# Altium PCB FES_V2.5.PcbDoc (part 1 of 2)
Units mm, origin at the board's own origin, x right, y up, seen from the top; angles counter-clockwise.
Board outline 60.4 x 104.94 mm, 2 copper layers (Top Layer, Bottom Layer); 191 components, 152 nets, 619 pads, 313 vias.
Unrouted connection lines stored in the file: 106.
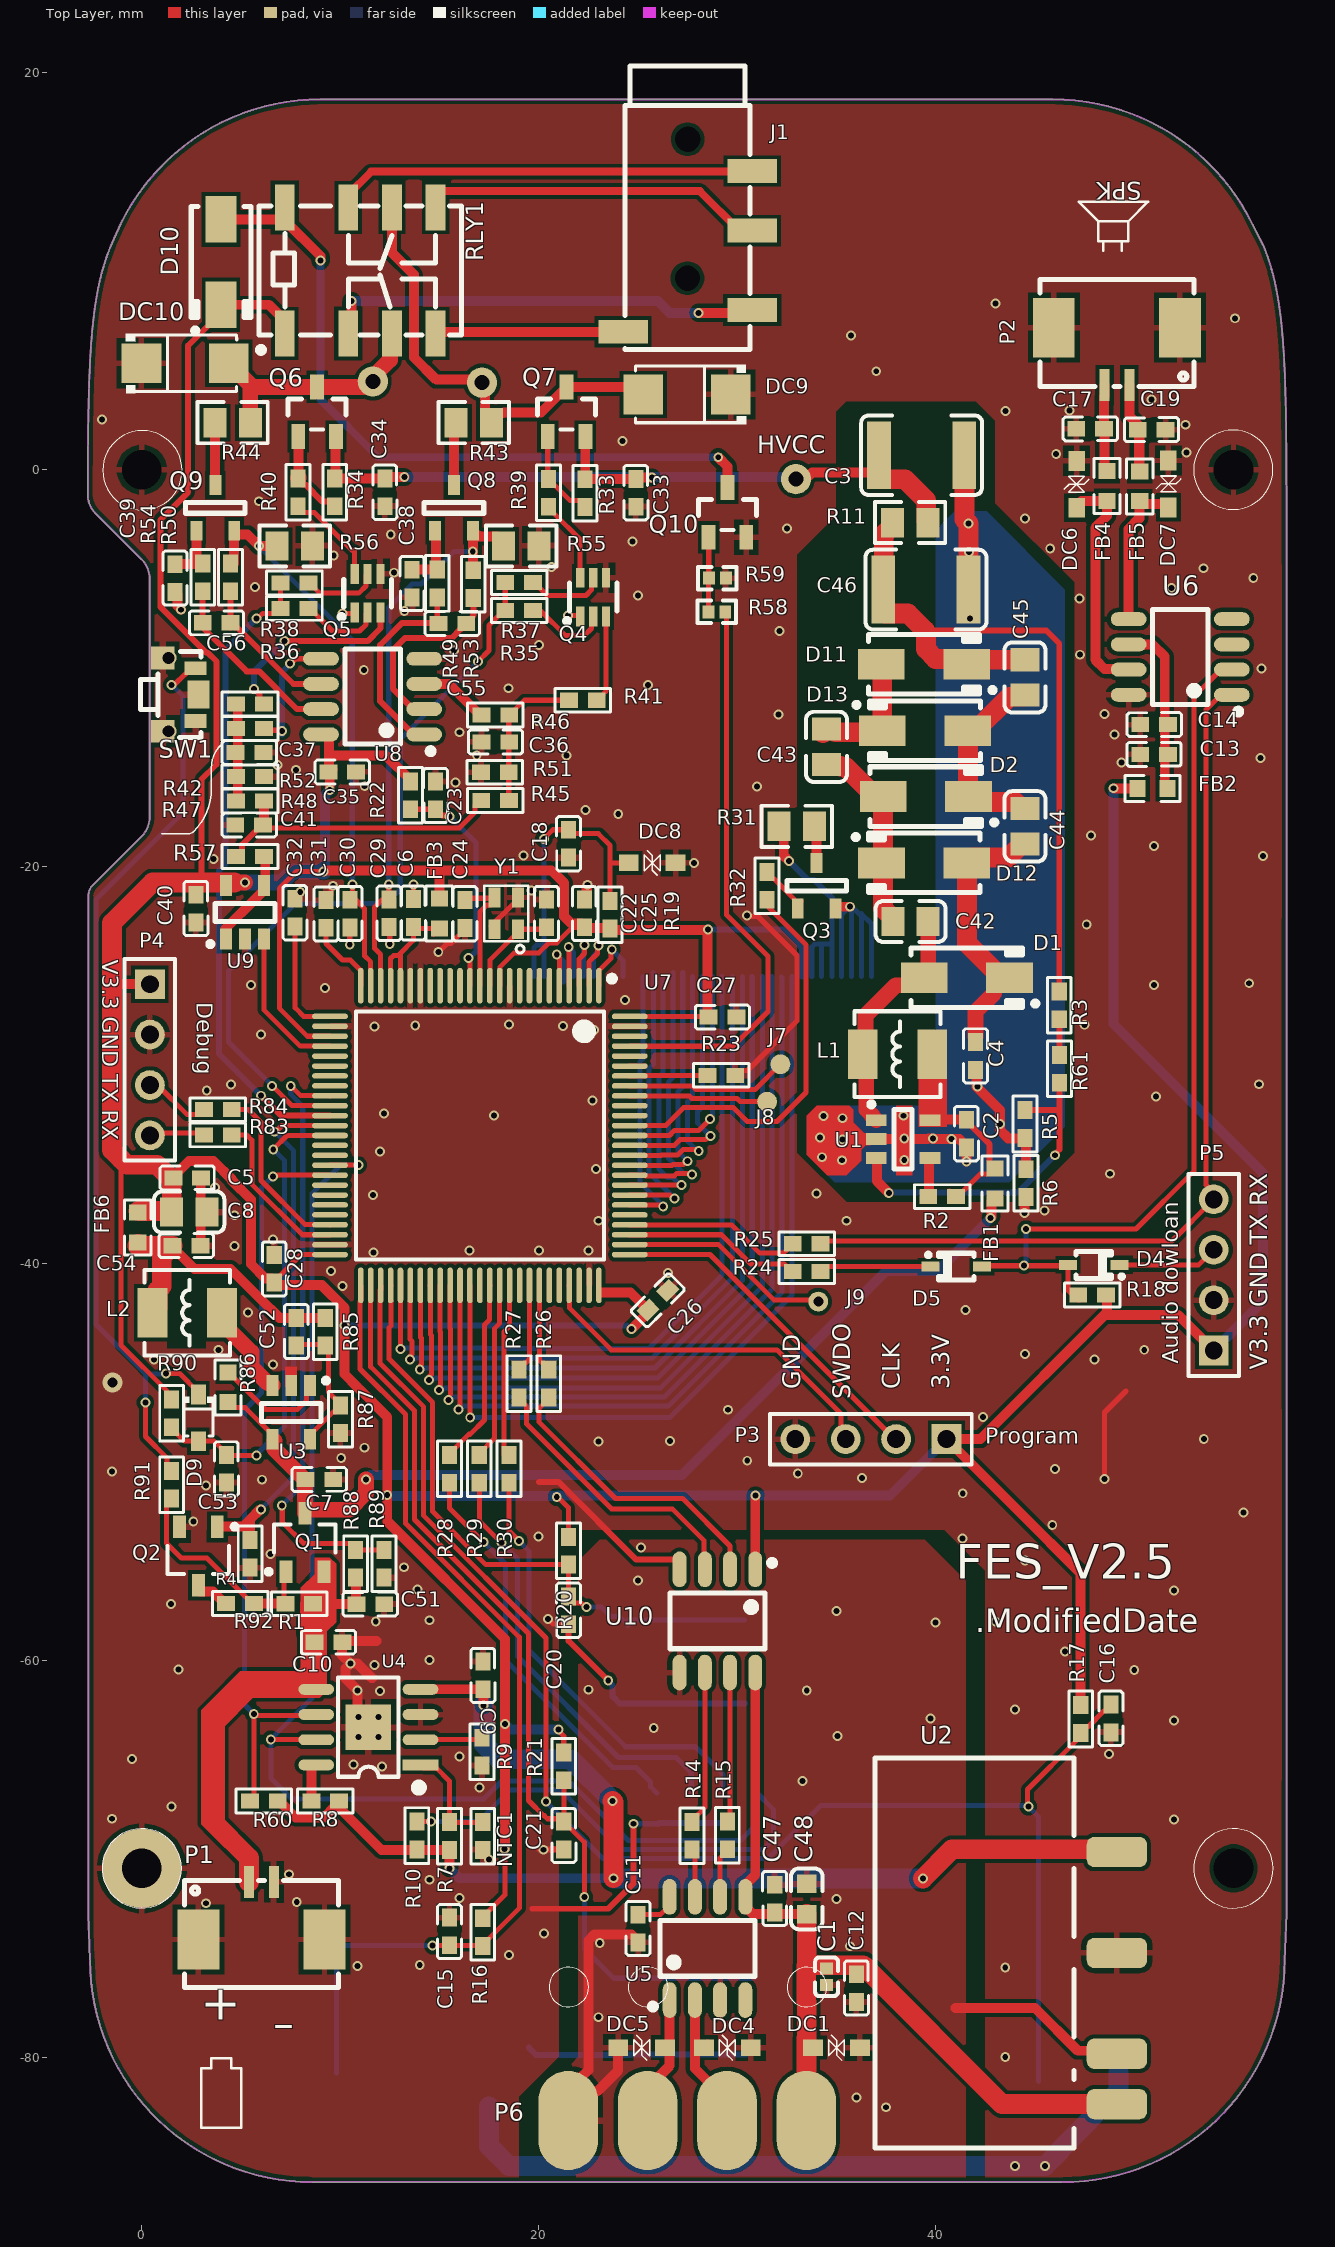
[diagram p0: Top Layer view]
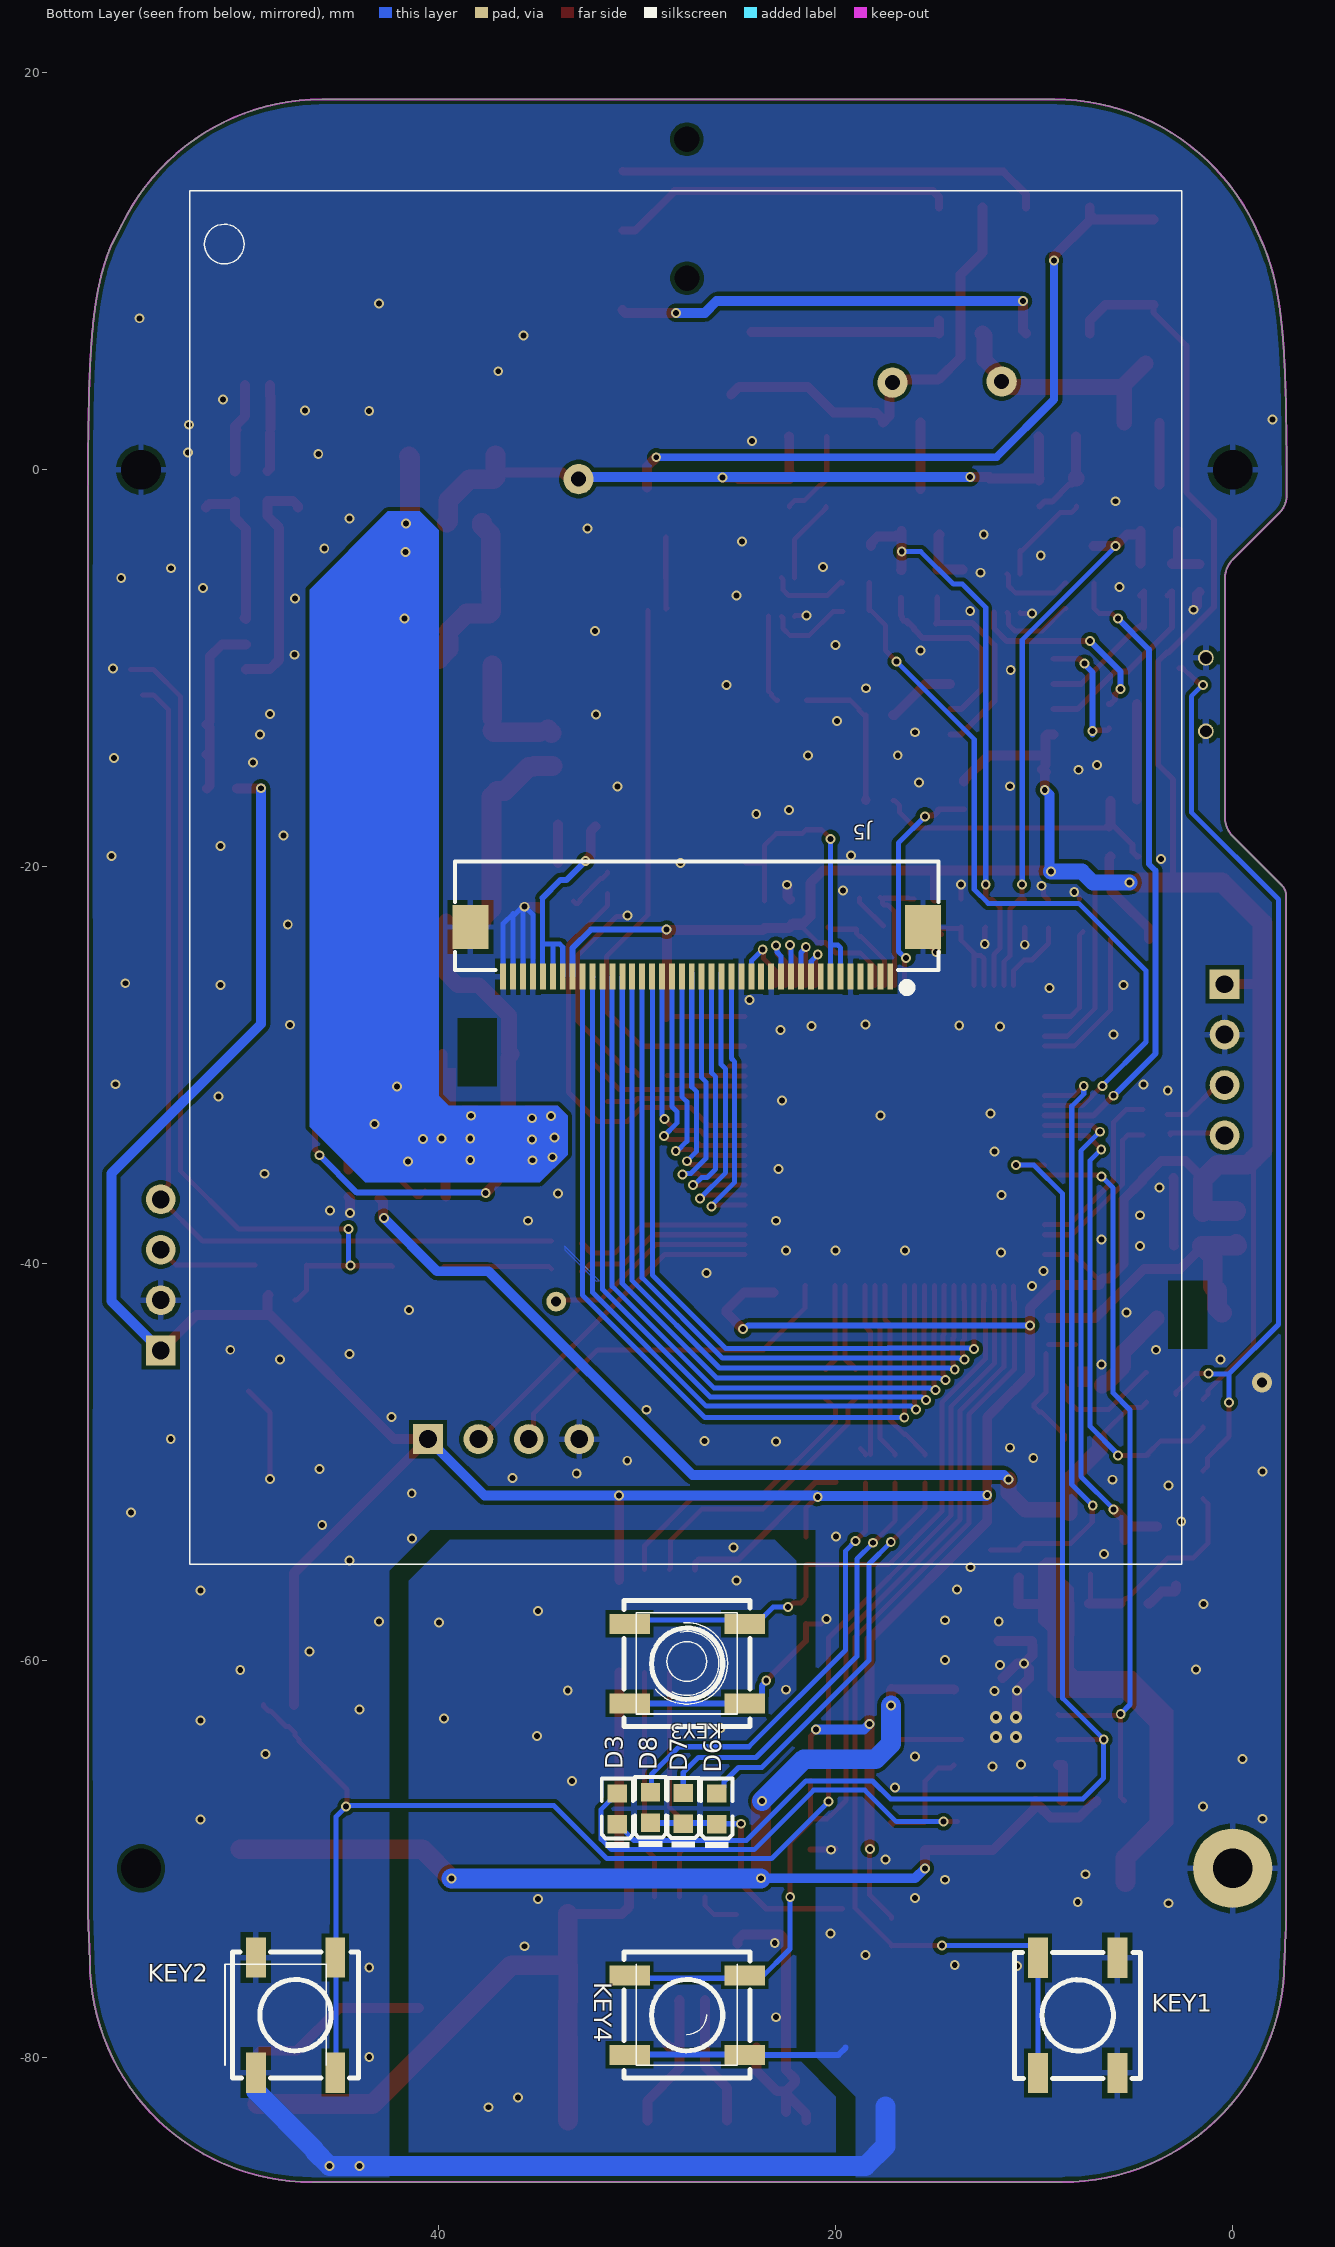
[diagram p1: Bottom Layer view, seen from below]
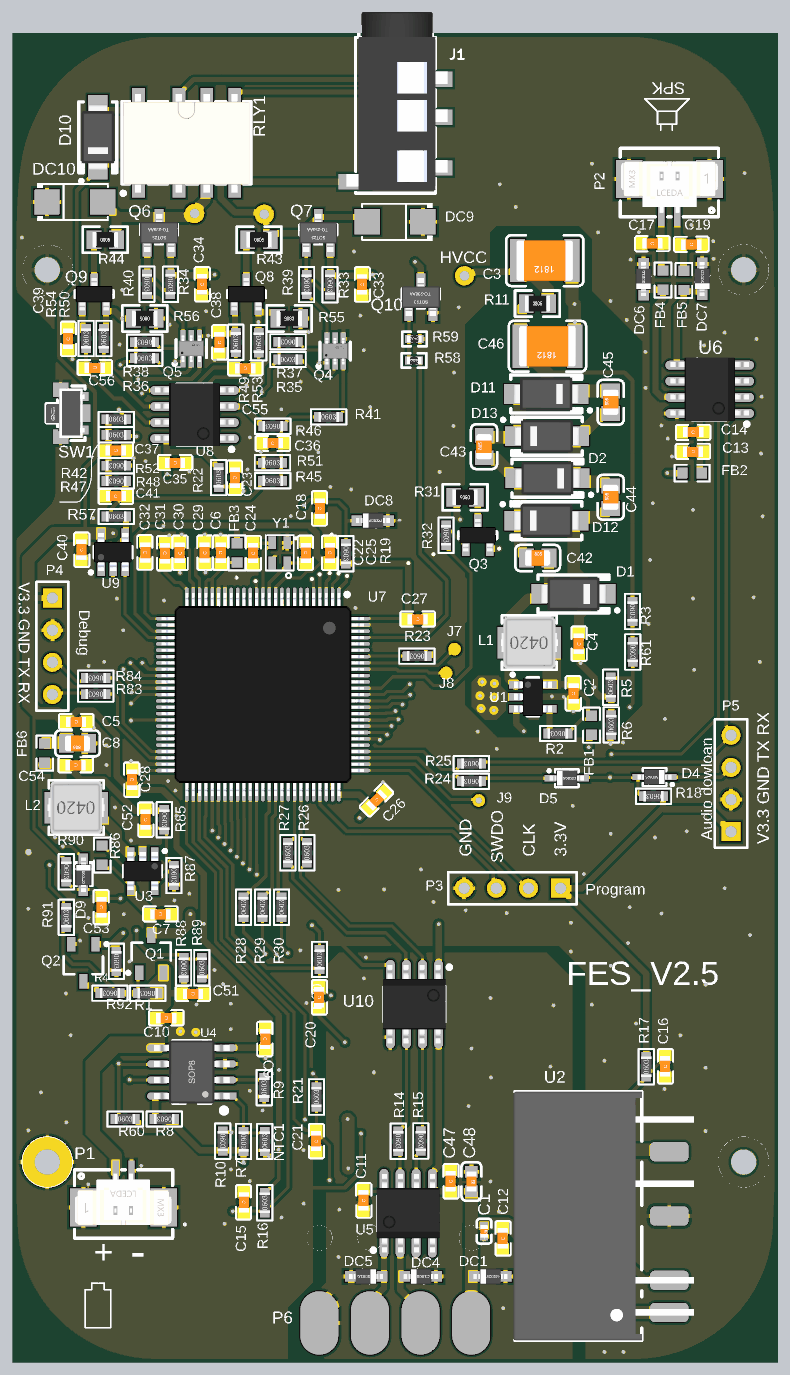
[diagram p3: 3D render of the assembled board from above, using the file's embedded part models]
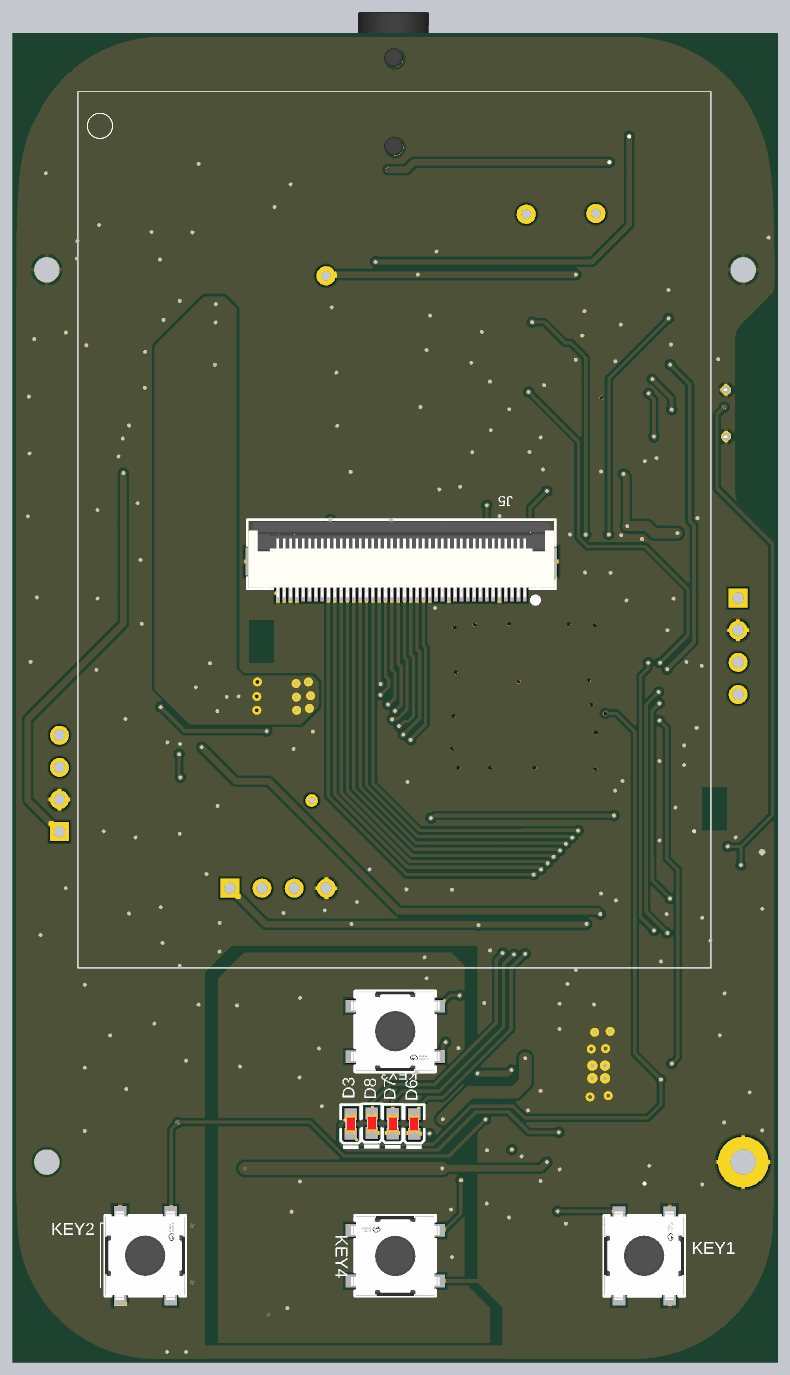
[diagram p4: 3D render of the assembled board from below, using the file's embedded part models]

## Layer stack, top to bottom
Top Solder: solder mask 0.0102, Solder Resist, Dk 3.5
Top Layer: signal copper 0.0356
Dielectric 1: dielectric 0.32, FR-4, Dk 4.8
Bottom Layer: signal copper 0.0356
Bottom Solder: solder mask 0.0102, Solder Resist, Dk 3.5

## Board outline
702 vertices, not listed, extent -2.72,-86.275 57.679,18.665

## Design rules (kind name [scope] priority, off if disabled: settings)
Clearance Clearance_1 [InNet('VCC_20V')] p1: gap=0.5 ignorepadtopadclearanceinfootprint=FALSE
Clearance [All] p2: gap=0.203 ignorepadtopadclearanceinfootprint=FALSE
PolygonConnect PolygonConnect_1 [All vs IsVia] p1: connectstyle=Direct reliefconductorwidth=0.254 reliefentries=4 polygonreliefangle="90 Angle" airgapwidth=0.254
PolygonConnect [All] p2: connectstyle=Relief reliefconductorwidth=0.3 reliefentries=4 polygonreliefangle="90 Angle" airgapwidth=0.254
RoomDefinition 1.POWER2.5 [InComponentClass('1.POWER2.5')] p1: confinementstyle=ConfineIn formatcopy=TRUE lockcomponents=FALSE outline -61.677,-98.737 -10.877,-98.737 -10.877,-73.337 -61.677,-73.337
RoomDefinition 2.Main_V2.4 [InComponentClass('2.Main_V2.4')] p2: confinementstyle=ConfineIn formatcopy=TRUE lockcomponents=FALSE outline -61.677,-98.737 -10.877,-98.737 -10.877,-73.337 -61.677,-73.337
RoomDefinition 3.DAC_Control_CH1_V2.0-2.4 [InComponentClass('3.DAC_Control_CH1_V2.0-2.4')] p3: confinementstyle=ConfineIn formatcopy=TRUE lockcomponents=FALSE outline -61.677,-98.737 -10.877,-98.737 -10.877,-73.337 -61.677,-73.337
RoutingVias [All] p1: holewidth=0.711 width=1.27 viastyle="Through Hole" minholewidth=0.711 minwidth=1.27 maxholewidth=0.711 maxwidth=1.27
SolderMaskExpansion [All] p1: expansion=0.102 istentingtop=FALSE
Width [All] p1: maxlimit=2.54 minlimit=0.254 preferedwidth=0.254 minimp=50.000000 maximp=50.000000 favimp=50.000000
30 further rules are at their usual default settings.

## Classes and differential pairs
component class 1.POWER2.5: C1 C2 C3 C4 C5 C6 C7 C8 C9 C10 C11 C12 C42 C43 C44 C45 C46 C47 C48 C51 C52 C53 C54 D1 D2 D3 D9 D11 D12 D13 DC1 DC4 DC5 ESD1 ESD2 FB1 FB2 FB3 FB6 L1 L2 NTC1 P1 P6 Q1 Q2 R1 R2 R3 R4 R5 R6 R7 R8 R9 R10 R11 R14 R15 R60 R61 R85 R86 R87 R88 R89 R90 R91 R92 SW1 U1 U2 U3 U4 U5 U10 U13
component class 2.Main_V2.4: C13 C14 C15 C16 C17 C18 C19 C20 C21 C22 C23 C24 C25 C26 C27 C28 C29 C30 C31 C32 D4 D5 D6 D7 D8 DC6 DC7 DC8 FB4 FB5 J5 J7 J8 J9 KEY1 KEY2 KEY3 KEY4 P2 P3 P4 P5 Q3 R16 R17 R18 R19 R20 R21 R22 R23 R24 R25 R26 R27 R28 R29 R30 R31 R32 R83 R84 U6 U7 Y1
component class 3.DAC_Control_CH1_V2.0-2.4: C33 C34 C35 C36 C37 C38 C39 C40 C41 C55 C56 D10 DC9 DC10 J1 Q4 Q5 Q6 Q7 Q8 Q9 Q10 R33 R34 R35 R36 R37 R38 R39 R40 R41 R42 R43 R44 R45 R46 R47 R48 R49 R50 R51 R52 R53 R54 R55 R56 R57 R58 R59 RLY1 U8 U9

## Components (designator, comment, footprint, x,y, rotation, side; value= is the part's Value field where it differs from the comment)
C1 "100nF/50V" 0402_C 34.5,-75.925 r270 top value=0.1uF
C2 "10uF/10V" 0603C 41.541,-33.445 r270 top
C3 "1uF/250V" 1812_C 39.29,0.73 r180 top value=100pF
C4 "100nF/50V" 0603C 42.003,-29.538 r90 top value=100pF
C5 "100nF/50V" 0603C 2.29,-35.677 r180 top
C6 "2.2uF/50V" 0603C 13.678,-22.329 r270 top
C7 "10uF/10V" 0603C 8.948,-50.871 r180 top
C8 "47uF/10V" 0805_C 2.386,-37.4 r180 top
C9 "10uF/10V" 0603C 17.184,-60.738 r270 top
C10 "10uF/10V" 0603C 9.408,-59.074 r180 top
C11 "100nF/50V" 0603C 25,-73.5 r90 top
C12 "10uF/10V" 0603C 36,-76.5 r90 top
C13 "10uF/10V" 0603C 51.003,-14.338 r180 top value=100pF
C14 "100nF/50V" 0603C 51.003,-12.838 r0 top value=100pF
C15 "100nF/50V" 0603C 15.501,-73.641 r270 top
C16 "100nF/50V" 0603C 48.826,-62.915 r90 top
C17 "10nF/10V" 0603C 47.778,2.064 r0 top
C18 "100nF/50V" 0603C 21.503,-18.838 r270 top value=0.1uF
C19 "10nF/10V" 0603C 50.88,2.016 r180 top
C20 "100nF/50V" 0603C 21.5,-57.464 r90 top
C21 "100nF/50V" 0603C 21.26,-68.812 r90 top
C22 "8pF/50V" 0603C 20.391,-22.35 r270 top
C23 "100nF/50V" 0603C 14.803,-16.405 r270 top
C24 "8pF/50V" 0603C 16.283,-22.379 r90 top
C25 "100nF/50V" 0603C 22.296,-22.35 r270 top
C26 "100nF/50V" 0603C 26.003,-41.838 r225 top
C27 "100nF/50V" 0603C 29.258,-27.579 r180 top
C28 "100nF/50V" 0603C 6.675,-40.257 r270 top
C29 "100nF/50V" 0603C 12.451,-22.346 r90 top
C30 "100nF/50V" 0603C 10.491,-22.361 r90 top
C31 "100nF/50V" 0603C 9.274,-22.378 r270 top
C32 "100nF/50V" 0603C 7.709,-22.316 r270 top
C33 "1nF/50V" 0603C 24.889,-1.165 r90 top
C34 "1nF/50V" 0603C 12.245,-1.142 r90 top
C35 "100nF/50V" 0603C 10.099,-15.227 r180 top
C36 "1nF/50V" 0603C 17.811,-13.714 r0 top
C37 "1nF/50V" 0603C 5.425,-14.246 r180 top
C38 "1nF/50V" 0603C 13.616,-5.737 r90 top
C39 "1nF/50V" 0603C 1.671,-5.463 r90 top
C40 "100nF/50V" 0603C 2.723,-22.113 r90 top
C41 "NC" 0603C 5.41,-17.898 r0 top
C42 "CGA4J3X7T2E104MT0Y0N" 0805_C 38.731,-22.759 r0 top value=100pF
C43 "CGA4J3X7T2E104MT0Y0N" 0805_C 34.497,-13.963 r90 top value=100pF
C44 "CGA4J3X7T2E104MT0Y0N" 0805_C 44.497,-17.963 r90 top value=100pF
C45 "CGA4J3X7T2E104MT0Y0N" 0805_C 44.497,-10.463 r90 top value=100pF
C46 "1uF/250V" 1812_C 39.503,-6.038 r180 top value=100pF
C47 "100nF/50V" 0603C 31.885,-71.989 r90 top
C48 "10uF/10V" 0603_C 33.5,-72 r270 top value=10uF
C51 "100nF/50V" 0603C 11.514,-57.157 r180 top
C52 "10pF" 0603C 7.782,-43.428 r90 top
C53 "100nF/50V" 0603C 4.261,-50.331 r270 top
C54 "2.2uF/50V" 0603C 2.249,-39.096 r180 top
C55 "10nF/50V" 0603C 15.648,-7.75 r180 top
C56 "10nF/50V" 0603C 3.768,-7.711 r180 top
D1 "SS34" SMA#1 41.563,-25.596 r0 top
D2 "SS2150" SMA#1 39.497,-16.463 r0 top value=SS34
D3 "GT-197" 0603_LED_S1 30.997,-67.463 r90 bottom
D4 "B5819WS" SOD-323#1 47.961,-40.061 r0 top
D5 "B5819WS" SOD-323#1 41.03,-40.149 r180 top
D6 "19-217/GHC-YR1S2/3T" 0603_LED_S1 25.997,-67.463 r90 bottom
D7 "19-213/Y2C-CQ2R2L/3T(CY)" 0603_LED_S1 27.681,-67.438 r90 bottom
D8 "19-217/GHC-YR1S2/3T" 0603_LED_S1 29.332,-67.405 r90 bottom
D9 "B5819WS" SOD-323#2 2.85,-47.771 r270 top
D10 "SS34" SMA#1 3.991,10.465 r270 top
D11 "SS2150" SMA#1 39.406,-9.802 r0 top value=SS34
D12 "SS2150" SMA#1 39.419,-19.81 r180 top value=SS34
D13 "SS2150" SMA#1 39.457,-13.144 r180 top value=SS34
DC1 "SESD3Z5C" SOD323 35,-79.5 r0 top
DC4 "SESD3Z5C" SOD323 29.5,-79.5 r0 top
DC5 "SESD3Z5C" SOD323 25.18,-79.5 r180 top
DC6 "SESD3Z5C" SOD323 47.092,-0.732 r90 top
DC7 "SESD3Z5C" SOD323 51.724,-0.715 r90 top
DC8 "SESD3Z5C" SOD323 25.715,-19.81 r0 top
DC9 "SMAJ100CA" SMA#2 27,4 r180 top
DC10 "SMAJ100CA" SMA#2 2.643,5.156 r0 top
FB1 "BLM18AG601SN1D" R0603 42.983,-36.72 r90 top value=200R/1A
FB2 "BLM18AG601SN1D" R0603 50.176,-16.055 r0 top value=200R/1A
FB3 "BLM18AG601SN1D" R0603 14.989,-21.599 r270 top value=200R/1A
FB4 "BLM18AG601SN1D" R0603 48.628,-0.062 r270 top value=200R/1A
FB5 "BLM18AG601SN1D" R0603 50.279,-0.08 r270 top value=200R/1A
FB6 "BLM18AG601SN1D" R0603 -0.202,-38.922 r90 top value=200R/1A
J1 "PJ-320D 贴片4脚" AUDIO-TH_L14.1-W6.1_PJ-320D 27.5,11 r270 top
J5 "F-FPC0M40P-C310" "FPC0.5 2H-WS-40P" 27.003,-23.038 r0 bottom locked
J7 "DOT" TP100MH#1 32.161,-29.942 r180 top
J8 "DOT" TP100MH#1 31.492,-31.827 r180 top
J9 "DOT" TP100MH#2 34.071,-41.9 r180 top
KEY1 "KSC221JLFS" KEY_KSC221JLFS 7.808,-77.872 r90 bottom
KEY2 "KSC221JLFS" KEY_KSC221JLFS 47.214,-77.859 r90 bottom
KEY3 "KSC221JLFS" KEY_KSC221JLFS 27.484,-60.151 r180 bottom
KEY4 "KSC221JLFS" KEY_KSC221JLFS 27.484,-77.859 r0 bottom
L1 "MWSA0402S-100MT" L-SMD-0420 38.071,-29.441 r180 top value=10mH
L2 "MWSA0402S-4R7MT" L-SMD-0420 2.286,-42.473 r180 top
NTC1 "ERTJ1VR104FM" 0603R 17.179,-68.838 r90 top
P1 "HX 1.25-2P WT" 1.25-2P 6.003,-74.038 r180 top
P2 "HX 1.25-2P WT" 1.25-2P 49.152,7.153 r0 top
P3 "Header 4" HDR1X4 40.543,-48.838 r180 top
P4 "Header 4" HDR1X4 0.405,-25.919 r270 top
P5 "Header 4" HDR1X4 54.003,-44.378 r90 top
P6 "PADS" CON4-4MM 33.483,-83.171 r180 top
Q1 "AO3401A" SOT-23-3L 8.219,-54.045 r270 top
Q2 "AO3400A" SOT-23-3L 2.851,-54.726 r90 top
Q3 "S8050" SOT-23 33.997,-20.963 r0 top
Q4 "2N7002KDW" SOT-363 22.736,-6.416 r270 top
Q5 "2N7002KDW" SOT-363 11.374,-6.221 r270 top
Q6 "FMMT596TA" SOT-23(SOT-23-3) 8.834,2.923 r270 top
Q7 "FMMT596TA" SOT-23(SOT-23-3) 21.401,2.923 r270 top
Q8 "MMBTA42" SOT-23 15.727,-1.922 r0 top
Q9 "MMBTA42" SOT-23 3.705,-1.922 r0 top
Q10 "SS8050 Y1" SOT-23(SOT-23-3) 29.503,-2.147 r270 top
R1 "100KΩ±1%" 0603R 7.933,-57.134 r180 top
R2 "100KΩ±1%" 0603R 40.321,-36.623 r180 top
R3 "47KΩ±1%" 0603R 46.221,-26.985 r270 top value=100R
R4 "100KΩ±1%" 0603R 5.459,-54.612 r270 top
R5 "1.8KΩ±1%" 0603R 44.497,-32.963 r90 top
R6 "0Ω±1%" 0603R 44.541,-35.945 r90 top
R7 "33KΩ±1%" 0603R 15.503,-68.838 r270 top
R8 "10KΩ±1%" 0603R 9.242,-67.067 r180 top
R9 "2.4KΩ±1%" 0603R 17.137,-64.587 r90 top
R10 "1.5KΩ±1%" 0603R 13.856,-68.81 r270 top
R11 "10Ω±1%" 0805_R 38.709,-2.667 r0 top
R14 "100Ω±1%" 0603R 27.718,-68.821 r270 top
R15 "100Ω±1%" 0603R 29.5,-68.8 r270 top
R16 "10KΩ±1%" 0603R 17.179,-73.681 r90 top
R17 "10KΩ±1%" 0603R 47.302,-62.94 r90 top
R18 "10KΩ±1%" 0603R 47.882,-41.578 r180 top
R19 "10R±1%" 0603R 23.585,-22.419 r270 top
R20 "10KΩ±1%" 0603R 21.5,-54.464 r90 top
R21 "10KΩ±1%" 0603R 21.257,-65.326 r90 top
R22 "10KΩ±1%" 0603R 13.533,-16.405 r90 top
R23 "10KΩ±1%" 0603R 29.198,-30.51 r180 top
R24 "100Ω±1%" 0603R 33.498,-40.39 r180 top
R25 "100Ω±1%" 0603R 33.498,-38.993 r180 top
R26 "100Ω±1%" 0603R 20.503,-46.038 r90 top
R27 "100Ω±1%" 0603R 19.003,-46.038 r90 top
R28 "1.5KΩ±1%" 0603R 15.503,-50.338 r90 top
R29 "1.5KΩ±1%" 0603R 17.003,-50.338 r90 top
R30 "1.5KΩ±1%" 0603R 18.503,-50.338 r90 top
R31 "10R±1%" 0805_R 32.997,-17.963 r180 top
R32 "1KΩ±1%" 0603R 31.497,-20.963 r270 top
R33 "47KΩ±1%" 0603R 22.328,-1.181 r270 top
R34 "47KΩ±1%" 0603R 9.723,-1.141 r270 top
R35 "680R±1%" 0603R 19.011,-7.084 r0 top
R36 "680R±1%" 0603R 7.691,-6.983 r0 top
R37 "680R±1%" 0603R 19.011,-5.687 r180 top
R38 "680R±1%" 0603R 7.691,-5.713 r180 top
R39 "10KΩ±1%" 0603R 20.485,-1.162 r270 top
R40 "10KΩ±1%" 0603R 7.871,-1.138 r270 top
R41 "10R±1%" 0603R 22.223,-11.613 r0 top
R42 "10R±1%" 0603R 5.451,-11.809 r0 top
R43 "10R±1%" 0805_R 16.723,2.371 r0 top
R44 "10R±1%" 0805_R 4.574,2.371 r0 top
R45 "1KΩ±1%" 0603R 17.802,-16.659 r0 top
R46 "680R±1%" 0603R 17.815,-12.356 r180 top
R47 "680R±1%" 0603R 5.451,-13.036 r0 top
R48 "1KΩ±1%" 0603R 5.451,-16.681 r180 top
R49 "680R±1%" 0603R 14.885,-5.729 r90 top
R50 "680R±1%" 0603R 3.068,-5.422 r90 top
R51 "1KΩ±1%" 0603R 17.786,-15.238 r0 top
R52 "1KΩ±1%" 0603R 5.451,-15.463 r180 top
R53 "680R±1%" 0603R 16.701,-5.763 r90 top
R54 "680R±1%" 0603R 4.465,-5.422 r90 top
R55 "10R±1%" 0805_R 19.113,-3.839 r180 top
R56 "10R±1%" 0805_R 7.707,-3.839 r180 top
R57 "1KΩ±1%" 0603R 5.451,-19.478 r0 top
R58 "1.5KΩ±1%" 0402_R 28.968,-7.157 r180 top
R59 "100KΩ±1%" 0402_R 28.997,-5.463 r180 top
R60 "47KΩ±1%" 0603R 6.148,-67.069 r0 top
R61 "33KΩ±1%" 0603R 46.236,-30.182 r270 top value=100R
R83 "100Ω±1%" 0603R 3.829,-33.508 r180 top
R84 "100Ω±1%" 0603R 3.828,-32.241 r180 top
R85 "91K±1%" 0603R 9.242,-43.428 r270 top
R86 "10K±1%" R0603 4.337,-45.474 r270 top
R87 "20K±1%" 0603R 10.003,-47.838 r270 top
R88 "47KΩ±1%" 0603R 10.774,-55.119 r270 top
R89 "47KΩ±1%" 0603R 12.207,-55.119 r90 top
R90 "10KΩ±1%" 0603R 1.503,-47.538 r270 top
R91 "100KΩ±1%" 0603R 1.503,-51.138 r90 top
R92 "10KΩ±1%" 0603R 4.95,-57.128 r180 top
RLY1 "G6K-2F-Y 3VDC" HFD4/12 11.002,10.036 r0 top
SW1 "SKTDLHE010" KEY_SKTDLHE010 1.503,-11.338 r90 top
U1 "LMR64010XMFE/NOPB" SOT-23-5 38.354,-33.721 r270 top
U2 "B0505S-3WR2" PWRM-TH_BXXXXS_SMD 47.859,-75.994 r90 top
U3 "SY8089AAC" SOT-23-5 7.529,-47.495 r180 top value=SY8089AAAC
U4 "TP4056" TC4056A 11.414,-63.349 r90 top value=TC4056A
U5 "CH340N" SOP-8_150mil 28.5,-74.5 r0 top
U6 "WTV3808S" SOP-8_150mil 52.316,-9.434 r90 top
U7 "STM32F103VET6" LQFP-100_14x14x05P 17.032,-33.542 r180 top locked
U8 "GS8552-SR" SOP-8_150mil 11.628,-11.428 r90 top
U9 "GS8551-TR" SOT-23-5 5.2,-22.299 r0 top
U10 "ADUM1201CRZ-RL7" SOP-8_150mil 29,-58 r180 top
Y1 "X201616MLB4SI" SMD_2016 18.359,-22.35 r90 top

## Footprints (in the part's own frame and the unit in brackets; to place one, negate y for a bottom-side part, rotate by r counter-clockwise, add the part's x,y. Pads: shape width x height; smd on the part's side, far side on the other; paste and mask are expansions set on the pad)
1.25-2P [mm]
  rect 0.5x1.6 smd: 1(0.6,-2.89) 2(-0.65,-2.89)
  rect 2.1x3 smd: 3(3.15,0.01) 4(-3.2,0.01)
  silkscreen extent -3.9,-2.96 3.85,2.44, body extent -3.82,-2.69 3.82,1.41, height 4.78
0402_C [mm]
  rect 0.6x0.65 smd mask+0.051: 1(-0.425,0) 2(0.425,0)
  silkscreen extent -0.97,-0.58 0.97,0.58, body extent -0.48,-0.3 0.52,0.3, height 0.2
0402_R [mm]
  rect 0.6x0.65 smd mask+0.051: 1(-0.425,0) 2(0.425,0)
  silkscreen extent -0.97,-0.58 0.97,0.58, body extent -0.57,-0.27 0.58,0.28, height 0.41
0603_C [mm]
  rect 0.93x0.98 smd: 1(-0.77,0) 2(0.77,0)
  silkscreen extent -1.53,-0.79 1.54,0.79, body extent -0.8,-0.4 0.8,0.4, height 0.3
0603_LED_S1 [mm]
  rect 0.93x0.98 smd: A(0.77,0) K(-0.77,0)
  silkscreen extent -1.97,-0.79 1.54,0.79, body extent -0.8,-0.4 0.8,0.4, height 0.6
0603C [mm]
  rect 0.9x0.762 smd: 1(-0.7,0) 2(0.7,0)
  silkscreen extent -1.36,-0.61 1.37,0.6, body extent -1.29,-0.47 1.31,0.53, height 0.89
0603R [mm]
  rect 0.9x0.762 smd: 1(-0.7,0) 2(0.7,0)
  silkscreen extent -1.4,-0.6 1.4,0.6, body extent -0.8,-0.4 0.8,0.4, height 0.45
0805_C [mm]
  rect 1.16x1.47 smd: 1(-0.89,0) 2(0.89,0)
  silkscreen extent -1.77,-1.04 1.77,1.04, body extent -1,-0.62 1,0.63, height 0.77
0805_R [mm]
  rect 1.16x1.47 smd: 1(-0.89,0) 2(0.89,0)
  silkscreen extent -1.77,-1.04 1.77,1.03, body extent -1,-0.62 1,0.63, height 0.49
1812_C [mm]
  rect 1.2x3.42 smd: 1(-2.15,0) 2(2.15,0)
  silkscreen extent -3.05,-2.01 3.05,2.01, body extent -2.25,-1.6 2.25,1.6, height 1.6
AUDIO-TH_L14.1-W6.1_PJ-320D [mm]
  round 0 hole 1.27: 1(-5.65,0) 2(1.35,-0.01)
  rect 1.2x2.5 smd mask+0.05: 2(-4.05,3.251) 3(-1.05,3.251) 4(2.95,3.251) 5(4.05,-3.251)
  silkscreen extent -9.35,-3.15 4.95,3.15, body extent -9.38,-3.87 4.72,4.13, height 5.38
CON4-4MM [mm] "PAD"
  oval 3x5 smd: 1(0,0) 2(4,0) 3(8,0) 4(12,0)
"FPC0.5 2H-WS-40P" [mm] "长：24.2mm，宽：5.2mm，高：2mm"
  rect 1.8x2.2 smd: 0(-11.4,0) 0(11.4,0)
  rect 0.3x1.3 smd: 1(-9.75,2.497) 2(-9.25,2.497) 3(-8.75,2.497) 4(-8.25,2.497) 5(-7.75,2.497) 6(-7.25,2.497) 7(-6.75,2.497) 8(-6.25,2.497) 9(-5.75,2.497) 10(-5.25,2.497) 11(-4.75,2.497) 12(-4.25,2.497) 13(-3.75,2.497) 14(-3.25,2.497) 15(-2.75,2.497) 16(-2.25,2.497) 17(-1.75,2.497) 18(-1.25,2.497) 19(-0.75,2.497) 20(-0.25,2.497) 21(0.25,2.497) 22(0.75,2.497) 23(1.25,2.497) 24(1.75,2.497) 25(2.25,2.497) 26(2.75,2.497) 27(3.25,2.497) 28(3.75,2.497) 29(4.25,2.497) 30(4.75,2.497) 31(5.25,2.497) 32(5.75,2.497) 33(6.25,2.497) 34(6.75,2.497) 35(7.25,2.497) 36(7.75,2.497) 37(8.25,2.497) 38(8.75,2.497) 39(9.25,2.497) 40(9.75,2.497)
  silkscreen extent -12.17,-3.3 12.17,3.23, body extent -12.1,-3.15 12.1,2.85, height 2
HDR1X4 [mm] "Connector; Header; 4 Position"
  rect 1.5x1.5 hole 0.9: 1(0,0)
  round 1.5 hole 0.9: 2(2.54,0) 3(5.08,0) 4(7.62,0)
  silkscreen extent -1.27,-1.27 8.89,1.27
HFD4/12 [mm]
  rect 1x2.3 smd: 1(-3.8,-3.175) 2(-0.6,-3.175) 3(1.602,-3.175) 4(3.8,-3.175) 5(3.8,3.175) 6(1.6,3.175) 7(-0.6,3.175) 8(-3.8,3.175)
  silkscreen extent -5.15,-4.15 5.09,3.25, body extent -5.02,-3.93 4.98,3.87, height 5.45
KEY_KSC221JLFS [mm] "防水轻触开关4x4x1.5"
  rect 2.032x1 smd mask+0.051: 1(-2.899,-2) 2(2.901,-2) 3(2.901,2) 4(-2.899,2)
  silkscreen extent -3.17,-3.18 3.18,3.17, body extent -3.5,-3.13 3.5,3.17, height 2.59
KEY_SKTDLHE010 [mil]
  rect 27.6x43.3 smd mask+2: 1(-51.75,-47.45) 2(52.65,-47.45)
  round 31.5 hole 23.6 mask+1.97: 3(-72.35,5.95) 3(73.25,5.95)
  rect 45.3x47.2 smd mask+2: 3(-72.35,17.45) 3(73.25,17.45)